# Altium PCB AC_voltage_sensor.PcbDoc
Units mm, origin at the board's own origin, x right, y up, seen from the top; angles counter-clockwise.
Board outline 69.72 x 28.45 mm, 2 copper layers (Top Layer, Bottom Layer); 48 components, 25 nets, 112 pads, 56 vias.
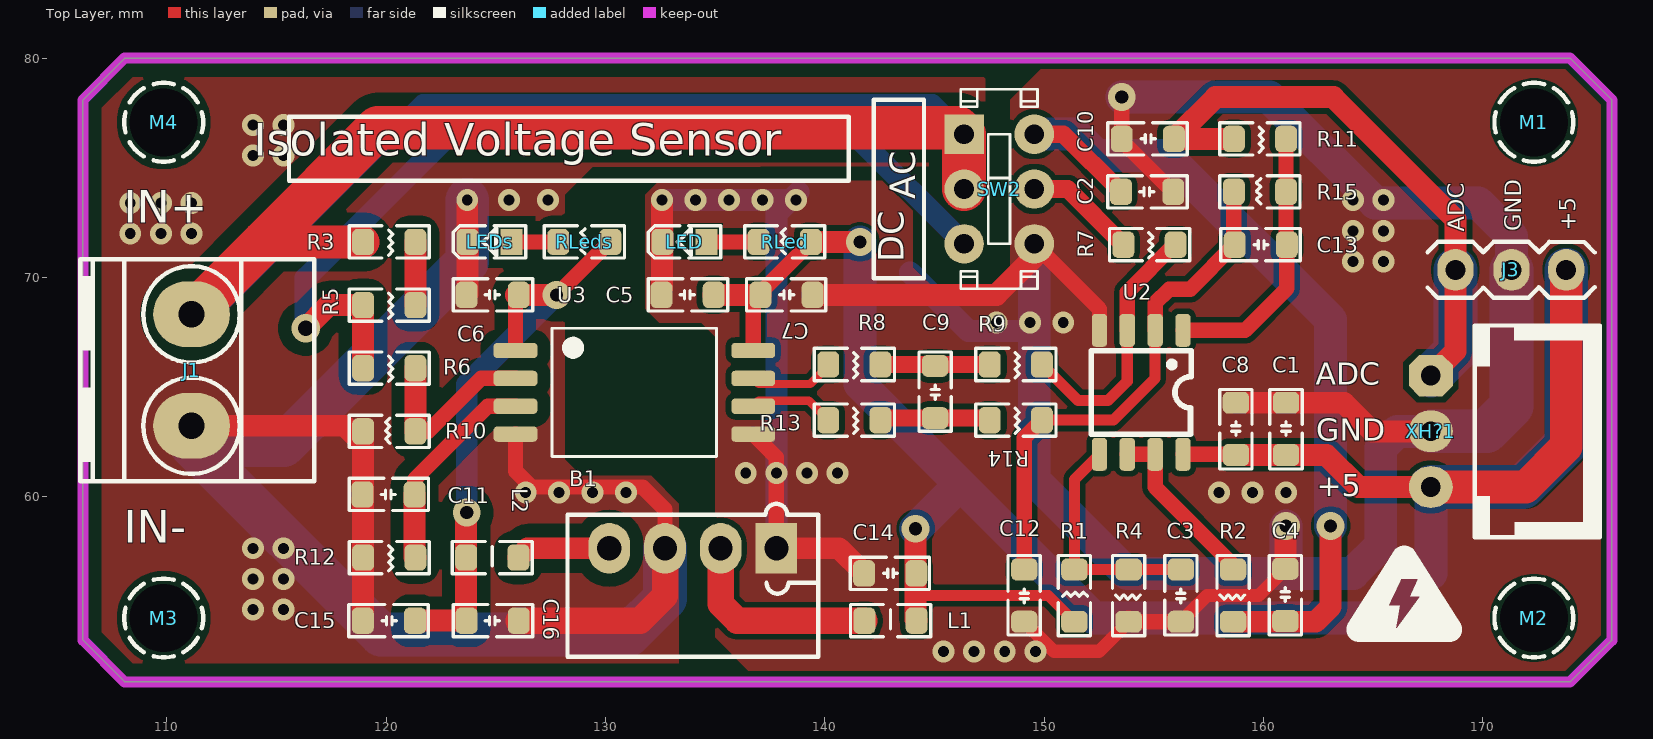
[diagram p0: Top Layer view]
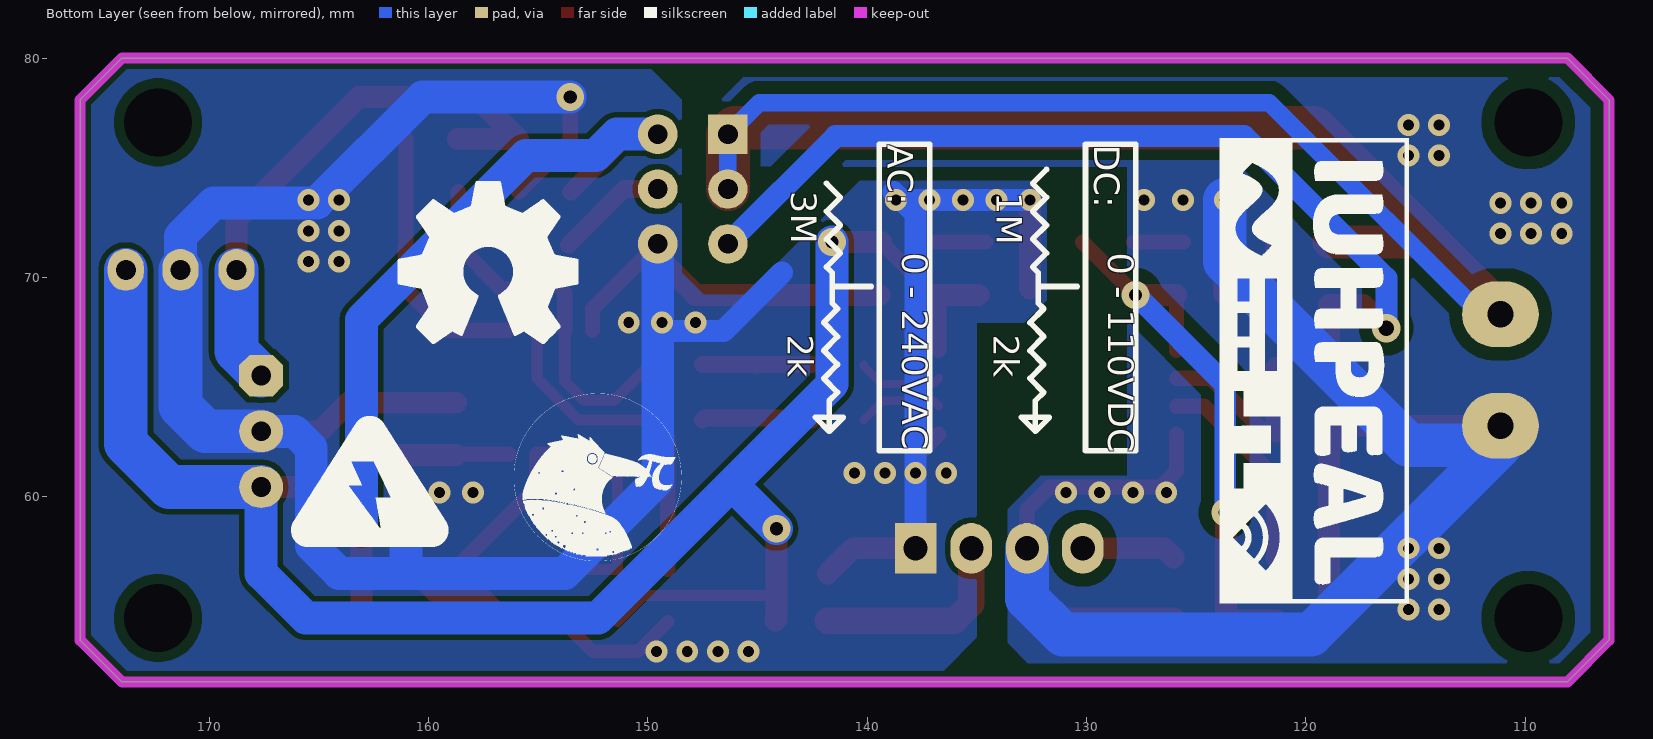
[diagram p1: Bottom Layer view, seen from below]
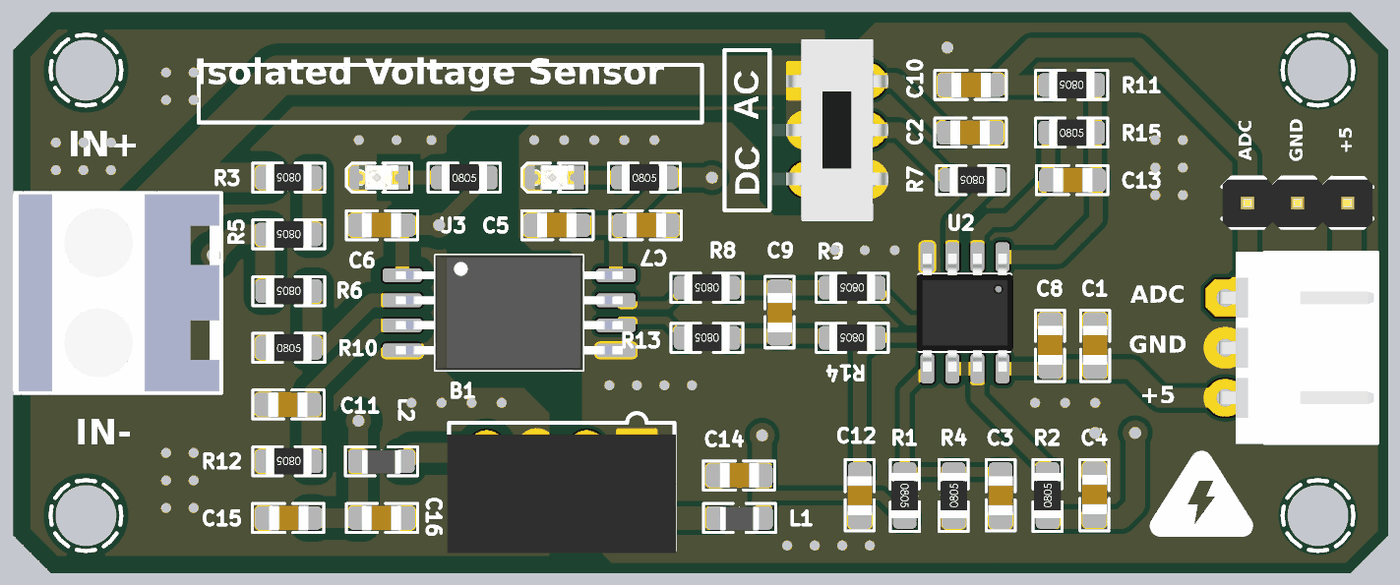
[diagram p2: 3D render of the assembled board from above, using the file's embedded part models]

## Layer stack, top to bottom
Top Solder: solder mask 0.0102, Solder Resist, Dk 3.5
Top Layer: signal copper 0.0356
Dielectric 1: dielectric 0.32, FR-4, Dk 4.8
Bottom Layer: signal copper 0.0356
Bottom Solder: solder mask 0.0102, Solder Resist, Dk 3.5

## Board outline
106.172,53.467 106.172,78.105 108.077,80.01 173.99,80.01 175.895,78.105 175.895,53.467 173.99,51.562 108.077,51.562

## Design rules (kind name [scope] priority, off if disabled: settings)
Clearance [All] p1: gap=0.6 ignorepadtopadclearanceinfootprint=FALSE
PolygonConnect [All] p1: connectstyle=Direct reliefconductorwidth=0.508 reliefentries=4 polygonreliefangle="90 Angle" airgapwidth=0.254
RoutingVias [All] p1: holewidth=0.6 width=1.27 viastyle="Through Hole" minholewidth=0.6 minwidth=1.27 maxholewidth=0.6 maxwidth=1.27
SolderMaskExpansion [All] p1: expansion=0.102 istentingtop=FALSE
Width [All] p1: maxlimit=5 minlimit=0.254 preferedwidth=0.254
30 further rules are at their usual default settings.

## Components (designator, comment, footprint, x,y, rotation, side; value= is the part's Value field where it differs from the comment)
B1 "B0505S 1WR3" B0505S 133.985,57.658 r180 top
C1 "0.1uF" cap_0805 161.036,63.119 r90 top
C2 "0.1uF" cap_0805 154.686,73.914 r180 top
C3 "0.1uF" cap_0805 156.241,55.484 r270 top
C4 "0.1uF" cap_0805 161.003,55.548 r90 top
C5 "4.7uF" cap_0805 133.731,69.215 r180 top
C6 "0.1uF" cap_0805 124.841,69.215 r180 top
C7 "0.1uF" cap_0805 138.271,69.215 r0 top
C8 "0.1uF" cap_0805 158.75,63.119 r90 top
C9 "180pF" cap_0805 145.034,64.77 r270 top
C10 "0.1uF" cap_0805 154.749,76.327 r0 top
C11 "180pF" cap_0805 120.093,60.113 r180 top
C12 "180pF" cap_0805 149.098,55.484 r270 top
C13 "180pF" cap_0805 159.9,71.501 r0 top
C14 "1uF" cap_0805 143.002,56.515 r0 top
C15 "1uF" cap_0805 120.142,54.356 r0 top
C16 "0.1uF" cap_0805 124.841,54.356 r180 top
J1 "CONN_TB2" TBG_2 111.125,65.786 r90 top
J3 "Jumper 3" JP3 171.298,70.358 r0 top value=J3
L1 "" fb0805 143.002,54.356 r180 top value="30 ohm"
L2 "" fb0805 124.841,57.235 r180 top value="30 ohm"
LED "=VALUE" LED0805RED 133.604,71.628 r180 top
LEDs "=VALUE" LED0805RED 124.714,71.628 r180 top
M1 "DNP/MH" PSPMH3 172.339,77.084 r0 top
M2 "DNP/MH" PSPMH3 172.339,54.478 r0 top
M3 "DNP/MH" PSPMH3 109.855,54.478 r0 top
M4 "DNP/MH" PSPMH3 109.855,77.084 r0 top
R1 "5.6k" R0805 151.384,55.499 r270 top
R2 "10R" R0805 158.622,55.499 r90 top
R3 "1M" R0805 120.142,71.628 r180 top
R4 "2.4k" R0805 153.86,55.499 r90 top
R5 "1M" R0805 120.142,68.749 r180 top
R6 "1M" R0805 120.142,65.871 r180 top
R7 "7.5k" R0805 154.813,71.501 r180 top
R8 "5.1k" R0805 141.351,66.04 r180 top
R9 "5.1k" R0805 148.717,66.04 r180 top
R10 "2K" R0805 120.142,62.992 r0 top
R11 "68R" R0805 159.847,76.327 r180 top
R12 "2K" R0805 120.142,57.235 r180 top
R13 "5.1k" R0805 141.351,63.5 r180 top
R14 "5.1k" R0805 148.717,63.5 r180 top
R15 "7.5k" R0805 159.847,73.914 r0 top
RLed "1k" R0805 138.176,71.628 r0 top
RLeds "1k" R0805 129.039,71.628 r0 top
SW2 "MSS-22D18 DIP" SW_MS22D18 147.955,74.041 r0 top value=SlideSwitch
U2 "MCP6002" Soic-8 154.432,64.77 r270 top
U3 "AMC1301DWVR" SOIC127P1150X280-8N 131.318,64.77 r0 top
XH?1 "HHDR_3" XHN_3 167.64,62.992 r270 top

## Footprints (in the part's own frame and the unit in brackets; to place one, negate y for a bottom-side part, rotate by r counter-clockwise, add the part's x,y. Pads: shape width x height; smd on the part's side, far side on the other; paste and mask are expansions set on the pad)
B0505S [mm] "B0505S 1WR3 Isolated Module DC DC Converter"
  rect 1.9x2.3 hole 1.1: 1(-3.81,0)
  oval 1.9x2.3 hole 1.1: 2(-1.27,0) 3(1.27,0) 4(3.81,0)
  silkscreen extent -5.72,-2.02 5.71,4.95, body extent -5.8,-0.92 5.8,5.08, height 10.26
cap_0805 [mm] "CHIP Capacitor, 2.0X1.3mm, 0805"
  rrect50% 1x1.2 smd mask+0.05: 1(-1.206,0) 2(1.175,0)
  silkscreen extent -1.84,-0.74 1.78,0.74, body extent -1,-0.62 1,0.63, height 1
fb0805 [mm] "30 Ohm 0805"
  rrect50% 1x1.2 smd mask+0.05: 1(-1.191,0) 2(1.191,0)
  silkscreen extent -1.83,-0.74 1.83,0.74, body extent -1,-0.57 1,0.64, height 0.9
JP3 [mil] "Jumper 3"
  oval 65x75 hole 36: 1(-100,0) 2(1,0) 3(99,0)
  silkscreen extent -150,-50 150,50, body extent -150,-48 150,46, height 337
LED0805RED [mm] "LED SMD 0805, RED"
  rect 1x1.2 smd mask+0.075: 1(-1,0)
  rrect50% 1x1.2 smd mask+0.075: 2(1,0)
  Top Layer pour cut-out: -0.5,0.8 0.5,0.8 0.5,-0.8 -0.5,-0.8
  silkscreen extent -1.65,-0.74 1.65,0.74, body extent -1,-0.63 1,0.63, height 0.7
PSPMH3 [mm] "Plastic Spacer mouting, Hole 3mm"
  round 0 hole 3.1 unplated mask+0.1: ""(0,0)
  Top Layer pour cut-out: 0,2 -0.197,2 -0.583,1.923 -0.947,1.772 -1.275,1.554 -1.554,1.275 -1.772,0.947 -1.923,0.583 -2,0.197 -2,0 -2,0 -2,-0.197 -1.923,-0.583 -1.772,-0.947 -1.554,-1.275 -1.275,-1.553 -0.947,-1.772 -0.583,-1.923 -0.197,-2 0,-2 0,-2 0.197,-2 0.583,-1.923 0.947,-1.772 1.275,-1.553 1.554,-1.275 1.772,-0.947 1.923,-0.583 2,-0.197 2,0 2,0.197 1.923,0.583 1.772,0.947 1.554,1.275 1.275,1.554 0.947,1.772 0.583,1.923 0.197,2 0,2
  Bottom Layer pour cut-out: 0,2 -0.197,2 -0.583,1.923 -0.947,1.772 -1.275,1.554 -1.554,1.275 -1.772,0.947 -1.923,0.583 -2,0.197 -2,0 -2,0 -2,-0.197 -1.923,-0.583 -1.772,-0.947 -1.554,-1.275 -1.275,-1.553 -0.947,-1.772 -0.583,-1.923 -0.197,-2 0,-2 0,-2 0.197,-2 0.583,-1.923 0.947,-1.772 1.275,-1.553 1.554,-1.275 1.772,-0.947 1.923,-0.583 2,-0.197 2,0 2,0.197 1.923,0.583 1.772,0.947 1.554,1.275 1.275,1.554 0.947,1.772 0.583,1.923 0.197,2 0,2
  silkscreen extent -1.8,-1.8 1.8,1.8
R0805 [mm] "0.125W 1/8W"
  rrect50% 1x1.2 smd mask+0.05: 1(-1.191,0) 2(1.191,0)
  silkscreen extent -1.83,-0.74 1.83,0.74, body extent -1.15,-0.67 1.15,0.67, height 0.76
SOIC127P1150X280-8N [mm]
  rrect50% 2x0.7 smd: 1(-5.42,1.905) 2(-5.42,0.635) 3(-5.42,-0.635) 4(-5.42,-1.905) 5(5.42,-1.905) 6(5.42,-0.635) 7(5.42,0.635) 8(5.42,1.905)
  silkscreen extent -3.75,-2.93 3.75,2.93, body extent -5.75,-2.93 5.75,2.93, height 2.8
Soic-8 [mm]
  rrect50% 1.5x0.7 smd: 1(-2.827,1.905) 2(-2.827,0.635) 3(-2.827,-0.635) 4(-2.827,-1.905) 5(2.827,-1.905) 6(2.827,-0.635) 7(2.827,0.635) 8(2.827,1.905)
  silkscreen extent -1.91,-2.29 1.91,2.29, body extent -3,-2.45 3,2.45, height 1.7
SW_MS22D18 [mm]
  rect 1.8x1.8 hole 0.9: 1(-1.6,2.5)
  round 1.8 hole 0.9: 2(-1.6,0) 3(-1.6,-2.5) 4(1.6,-2.5) 5(1.6,0) 6(1.6,2.5)
  silkscreen extent -1.75,-4.55 1.75,4.55, body extent -3.47,-4.58 3.44,4.58, height 5.55
TBG_2 [mm] "Terminal Block Green"
  oval 3x3.5 hole 1.2: 1(-2.54,0) 2(2.54,0)
  silkscreen extent -5.08,-5.6 5.05,5.08, body extent -5,-5.5 5,5, height 14
XHN_3 [mm] "PW10-xx-M, JST-BxB-XH-A pitch: 2.5mm"
  oct 1.9x2 hole 0.9: 1(-2.54,0)
  oval 1.9x2 hole 0.9: 2(0,0) 3(2.54,0)
  silkscreen extent -4.85,2 4.85,7.71, body extent -4.88,-0.3 4.88,7.73, height 5.97

## Part data
B1: "B0505S 1WR3 Isolated Module DC DC Converter"
C1 C2 C3 C4 C5 C6 C7 C8 C9 C10 C11 C12 C13 C14 C15 C16: library part "CAP SMD", "CAP SMD", ASSEMBLY=ASSEMBLY, MANF=-, MANF_P#=MANF_PART#, PARAM="-, -%", PARAM2=-V, PRICE="100= 1$"
J1: "CONN, TERMINAL BLOCK, 5.08mm pitch"
J3: library part JP3
L1 L2: library part "RES SMD_1", "Ferrite Bead, 30 ohm @ 100 MHz, 6 A, 0805", ASSEMBLY=ASSEMBLY, DESC=DESCRIPTION, DIST#=MOUSER, MANF=VISHAY, MANF_P#=WSLP0805R0100FEA, PARAM="0.5W, -55~155oC", PARAM2=1%, PRICE=0.5$
LED LEDs: library part "LED Red SMD", "LED Red SMD", ASSEMBLY=ASSEMBLY, DESC=DESCRIPTION, MANF=MANF, MANF_P#=MANF_PART#, PARAM2=2.2V, PRICE=36t@Javan
M1 M2 M3 M4: library part PSPMH3, "PSPMH3 Plastic Spacer mouting, Hole 3mm", ASSEMBLY=DNP
R1 R2 R3 R4 R5 R6 R7 R8 R9 R10 R11 R12 R13 R14 R15 RLed RLeds: library part "RES SMD", "RES SMD", ASSEMBLY=ASSEMBLY, DESC=DESCRIPTION, DIST#=MOUSER, MANF=VISHAY, MANF_P#=WSLP0805R0100FEA, PARAM="0.5W, -55~155oC", PARAM2=1%, PRICE=0.5$
SW2: library part "SW MSS-22D18G2", "SW MSS-22D18 Công Tắc Trượt 6 Chân ON-ON 2P2T 0.5A", ASSEMBLY=ASSEMBLY, DESC=DESCRIPTION, MANF=C&K, MANF_PART#=OS102011MS2QN1, PARAM=PARAM, PRICE=0.4$
U2: "MCP6002  1MHz, Low-Power dual Op Amp", Package="SOT-89 Microchip", Availability=Unavailable, MF=Microchip, MP=MCP1700T-3602E/MB, PRICE=None, SnapEDA_Link=https://www.snapeda.com/parts/MCP1700T-3602E/MB/Microchip/view-part/1202431/?ref=snap
U3: "AMC1301DWVR Isolation Amplifer, Opamp"
XH?1: library part XHN_3, "XHN 3 JST-XH pitch: 2.5mm"

## Via types
v1: diameter 1, hole 0.5, Top Layer to Bottom Layer, tented both sides, 48 vias
v2: diameter 1.27, hole 0.6, Top Layer to Bottom Layer, tented both sides, 7 vias
v3: diameter 1.3, hole 0.7, Top Layer to Bottom Layer, tented both sides, 1 vias

## Nets (pads, with @x,y where several pads share a name; then routed paths per layer and width w, separated by ;. In a path a pad name is that pad's centre, name@x,y a point inside that pad or via, vN(x,y) a via of type N, cw(c..) or ccw(c..) an arc to the next point about the centre after c; other vN are vias at no path point)
1.5V: C2.2 C4.1 R2.1 SW2.6 | length 42.3
  Top Layer w0.7: R2.1@158.655,54.341 C4.1
  Top Layer w0.8: SW2.6 150.884,76.541 C2.2 ; R2.1 R2.1@158.655,54.341
  Top Layer w1: R2.1 161.003,54.308 162.385,54.308 163.068,54.991 v2(163.068,58.674)
  Bottom Layer w1.5: SW2.6 151.424,76.541 152.4,75.565 155.575,75.565 163.068,68.072 v2(163.068,58.674)
5iso: C6.1 C15.2 C16.2 L2.2 RLeds.2 U3.1 | length 26.7
  Top Layer w0.7: U3.1 125.898,69.192 C6.1@125.92,69.215 ; v2(127.762,69.215) RLeds.2@130.175,71.628
  Top Layer w1: C15.2 123.634,54.356 123.65,54.372 123.65,59.261 v2(123.674,59.285) ; C6.1@125.92,69.215 v2(127.762,69.215)
  Bottom Layer w1: v2(123.674,59.285) 123.674,65.127 v2(127.762,69.215)
+5: C1.1 C5.1 C7.1 C8.1 C14.2 J3.3 L1.1 R1.2 RLed.2 U2.8 U3.8 XH?1.3 | length 108.5
  Top Layer w0.5: v2(144.145,58.547) v2@144.193,58.499 ; 144.526,55.499 150.193,55.499 R1.2
  Top Layer w0.7: U3.8 136.738,69.142 C7.1@136.811,69.215 ; C7.1 137.065,69.326 RLed.2 ; U2.8 158.719,61.943 C8.1
  Top Layer w1: C5.1 136.811,69.215 136.826,69.215 C7.1 ; RLed.2 v2(141.605,71.628) ; v2(144.145,58.547) 144.145,54.404 L1.1 ; C8.1 C1.1 162.877,61.912 164.338,60.452 XH?1.3
  Top Layer w1.5: XH?1.3 171.958,60.452 173.812,62.306 J3.3
  Bottom Layer w1.5: v2(141.605,71.628) 141.605,65.151 145.859,60.896 ; v2(144.145,58.547) 145.859,60.261 145.859,60.896 ; XH?1.3 167.64,56.515 165.608,54.483 152.273,54.483 145.859,60.896
  Bottom Layer w2: XH?1.3 171.831,60.452 173.812,62.433 J3.3
ADC_VOL: C10.2 J3.1 R11.2 XH?1.1 | length 31.5
  Top Layer w1: R11.2 158.195,76.327 C10.2 157.829,78.232 163.195,78.232 168.758,72.669 J3.1 168.758,66.65 XH?1.1
  Bottom Layer w2: XH?1.1 168.758,66.65 J3.1
COM: R7.2 SW2.5 | length 5.1
  Top Layer w0.8: SW2.5 151.082,74.041 R7.2
DC_DIV: R5.2 R6.2 SW2.3 | length 43
  Top Layer w1: v3(116.332,67.691) 117.39,68.749 R5.2 R6.2
  Bottom Layer w1: v3(116.332,67.691) 116.332,69.977 122.809,76.454 141.442,76.454 SW2.3
GND: B1.1 C1.2 C2.1 C3.2 C4.2 C5.2 C7.2 C8.2 C10.1 C12.2 C14.1 J3.2 LED.2 R4.1 SW2.4 U2.4 U3.5 XH?1.2 | length 161.2
  Top Layer w0.6: C12.2 150.449,52.959 152.511,52.959 R4.1 ; C3.2 157.43,55.499 159.779,55.499 C4.2
  Top Layer w0.7: U3.5 137.795,61.808 B1.1 ; SW2.4 152.527,68.569 U2.4 ; v2(153.543,78.232) C10.1 153.543,76.264 C2.1 ; R4.1@153.862,54.31 C3.2
  Top Layer w1: C5.2@132.588,69.501 v1(132.588,73.533) ; B1.1 140.653,57.658 C14.1 ; C7.2 147.828,69.215 149.555,70.942 SW2.4 ; R4.1 R4.1@153.862,54.31 ; C8.2 C1.2 163.671,64.294 164.973,62.992 XH?1.2 ; C4.2 161.003,58.641 v2(161.036,58.674)
  Bottom Layer w1: v1(132.588,73.533) v1(134.112,73.533) v1(135.636,73.533) v1(137.16,73.533) v1@138.43,73.533 ; B1.1 137.795,72.898 v1@138.43,73.533 ; v1@138.811,73.914 138.557,73.66 v1@138.43,73.533 ; 143.891,70.231 146.558,67.564 147.828,67.564 v1@149.555,67.564
  Bottom Layer w1.5: SW2.4 149.555,67.564 149.555,60.757 153.797,56.515 160.909,56.515 ; v2(153.543,78.232) 160.274,78.232 165.1,73.406 169.799,73.406 171.323,71.882 J3.2 ; v2(161.036,58.674) 161.036,56.642 160.909,56.515 ; XH?1.2 166.116,62.992 165.354,62.23 165.354,57.785 164.084,56.515 160.909,56.515
  Bottom Layer w2: XH?1.2 170.18,62.992 171.323,64.135 J3.2
  other v1: 145.415,52.959 146.812,52.959 148.209,52.959 149.606,52.959 157.988,60.198 159.512,60.198 161.036,60.198 136.398,61.087 137.795,61.087 139.192,61.087 140.589,61.087 147.828,67.945 149.352,67.945 150.876,67.945 164.084,70.739 165.481,70.739 164.084,72.136 165.481,72.136 138.684,73.533 164.084,73.533 165.481,73.533
L: J1.2 R3.2 SW2.1 SW2.2 | length 88.7
  Top Layer w1.5: 114.3,71.628 114.427,71.628 R3.2
  Top Layer w2: J1.2 114.427,71.628 119.634,76.835 146.061,76.835 SW2.1 SW2.2
  Bottom Layer w0.8: J1.2@111.125,67.437 121.666,77.978 144.918,77.978 SW2.1 SW2.2
N: B1.3 C6.2 C11.2 C15.1 C16.1 J1.1 LEDs.2 R10.1 R12.2 U3.4 | length 88.4
  Top Layer w0.7: U3.4 125.898,61.173 126.619,60.452 131.699,60.452 132.715,59.436 B1.3
  Top Layer w1: J1.1 118.11,63.246 R10.1@118.951,62.405 ; C15.1 118.951,54.372 R12.2 118.951,60.08 C11.2 118.951,60.146 R10.1 ; LEDs.2@123.698,71.644 v1(123.698,73.533) ; C6.2@123.714,69.263 LEDs.2
  Top Layer w1.2: C16.1 131.572,54.356 132.715,55.499 B1.3
  Bottom Layer w2: v1(123.698,73.533) 123.698,70.739 115.316,62.357 111.125,62.357 119.761,53.721 131.064,53.721 132.715,55.372 B1.3
  other v1: 113.919,54.864 115.316,54.864 113.919,56.261 115.316,56.261 113.919,57.658 115.316,57.658 126.365,60.198 127.889,60.198 129.413,60.198 130.937,60.198 108.331,72.009 109.728,72.009 111.125,72.009 108.331,73.406 109.728,73.406 111.125,73.406 125.603,73.533 127.381,73.533 113.919,75.565 115.316,75.565 113.919,76.962 115.316,76.962
NetB1_2: B1.2 L1.2 | length 9.4
  Top Layer w1.2: B1.2 135.255,55.118 136.017,54.356 L1.2
NetB1_4: B1.4 L2.1 | length 4.3
  Top Layer w1: L2.1 126.455,57.658 B1.4
NetC3_1: C3.1 R1.1 R4.2 U2.5 | length 10.6
  Top Layer w0.5: U2.5 151.384,60.8 R1.1 C3.1 C3.1
NetC9_1: C9.1 R8.1 R9.2 | length 5
  Top Layer w0.762: R8.1 144.97,66.04 C9.1 145.097,66.04 R9.2
NetC9_2: C9.2 R13.1 R14.2 | length 5.1
  Top Layer w0.762: R13.1 142.637,63.595 C9.2 147.431,63.595 R14.2
NetC11_1: C11.1 R12.1 U3.3 | length 9.6
  Top Layer w0.7: C11.1 121.3,60.798 123.825,63.323 124.637,64.135 U3.3
  Top Layer w1: C11.1 121.3,57.268 R12.1
NetC12_1: C12.1 C13.1 R14.1 R15.1 U2.2 | length 23.7
  Top Layer w0.508: R14.1 153.162,63.5 155.067,65.405 U2.2
  Top Layer w0.7: C12.1 149.098,62.69 R14.1 ; U2.2 155.067,68.834 155.702,69.469 156.662,69.469 C13.1 158.656,71.539 R15.1
NetC13_2: C13.2 R11.1 R15.2 U2.1 | length 12.4
  Top Layer w0.7: U2.1 159.164,67.597 161.075,69.508 C13.2 161.037,71.539 R15.2 R11.1
NetLED_1: LED.1 RLed.1 | length 2.3
  Top Layer w0.7: LED.1 RLed.1@136.858,71.628
NetLEDs_1: LEDs.1 RLeds.1 | length 2.1
  Top Layer w0.7: LEDs.1 RLeds.1
NetR2_2: R2.2 U2.6 U2.7 | length 8
  Top Layer w0.7: U2.6 U2.7 155.067,60.452 158.622,56.897 R2.2
NetR3_1: R3.1 R5.1 | length 2.9
  Top Layer w1: R5.1 R3.1
NetR6_1: R6.1 R10.2 U3.2 | length 8.4
  Top Layer w0.7: R10.2 121.92,62.992 122.682,63.754 124.333,65.405 U3.2
  Top Layer w1: R10.2 R6.1
NetR7_1: R7.1 R9.1 U2.3 | length 12.1
  Top Layer w0.508: R9.1 151.559,64.389 152.908,64.389 153.797,65.278 U2.3
  Top Layer w0.7: U2.3 153.797,69.342 155.956,71.501 R7.1
NetR8_2: R8.2 U3.7 | length 3.9
  Top Layer w0.381: U3.7 136.992,65.151 139.339,65.151 140.16,65.972 R8.2
NetR13_2: R13.2 U3.6 | length 3.9
  Top Layer w0.381: U3.6 136.992,64.389 139.271,64.389 R13.2
pads on no net: M1. M2. M3. M4.

## Polygon pours and split planes (outlines as drawn)
GND on Top Layer "gnda" (solid, pour order 1): 173.99,80.01 175.895,78.105 175.895,53.467 173.99,51.562 137.033,51.562 135.001,53.594 135.001,67.31 134.372,67.94 132.462,67.943 131.826,68.581 131.826,73.787 132.461,74.422 142.615,74.422 144.007,73.039 144.025,70.469 145.288,69.215 148.463,69.215 148.463,78.105 150.368,80.01
N on Top Layer "gnda" (solid, pour order 0): 106.172,78.105 108.077,80.01 125.73,80.01 147.336,80.01 147.308,75.078 129.396,75.041 128.143,73.786 128.143,61.722 128.905,60.96 132.08,60.96 133.35,59.69 133.35,51.562 108.077,51.562 106.172,53.467
GND on Bottom Layer "gnda" (solid, pour order 2): 173.99,80.01 175.895,78.105 175.895,53.467 173.99,51.562 137.033,51.562 135.001,53.594 135.001,67.939 132.844,67.943 131.826,68.962 131.826,73.787 132.46,74.421 140.348,74.415 144.4,70.351 144.4,70.106 145.293,69.215 147.447,69.215 148.463,70.231 148.463,78.105 150.368,80.01
N on Bottom Layer "gnda" (solid, pour order 3): 106.172,78.105 108.077,80.01 125.73,80.01 144.788,80.01 147.321,77.462 147.308,75.078 128.143,75.038 128.143,60.96 132.08,60.96 133.604,59.436 133.604,53.34 131.826,51.562 108.077,51.562 106.172,53.467

## Keep-outs
Keep-Out Layer:
  the board outline again, w0.508

## Silkscreen, mask and mechanical layers (free items; w line width, h text height)
Top Overlay:
  drawing of 9 lines, arcs and shapes, not listed
  text "Isolated Voltage Sensor" at 113.964,75.057 h2.54
  text "AC" at 144.526,73.57 h2 r90
  text "+5" at 174.498,72.136 h1.27 r90
  text "GND" at 172.009,72.119 h1.27 r90
  text "ADC" at 169.418,72.098 h1.27 r90
  text "IN+" at 108.042,72.009 h2.54
  text "DC" at 143.996,70.702 h2 r90
  text "ADC" at 162.4,64.77 h1.7
  text "GND" at 162.403,62.23 h1.7
  text "+5" at 162.433,59.69 h1.7
  text "IN-" at 108.042,57.404 h2.54
Bottom Overlay:
  drawing of 68 lines, arcs and shapes, not listed
  text "DC:" at 130.048,76.055 h2 r90
  text "AC:" at 139.446,76.055 h2 r90
  text "3M" at 143.865,73.935 h2 r90
  text "1M" at 134.493,73.897 h2 r90
  text "0 - 110VDC" at 129.396,71.132 h2 r90
  text "0 - 240VAC" at 138.794,71.132 h2 r90
  text "2k" at 134.62,67.397 h2 r90
  text "2k" at 144.018,67.397 h2 r90